# KiCad board panel.kicad_pcb (continued)
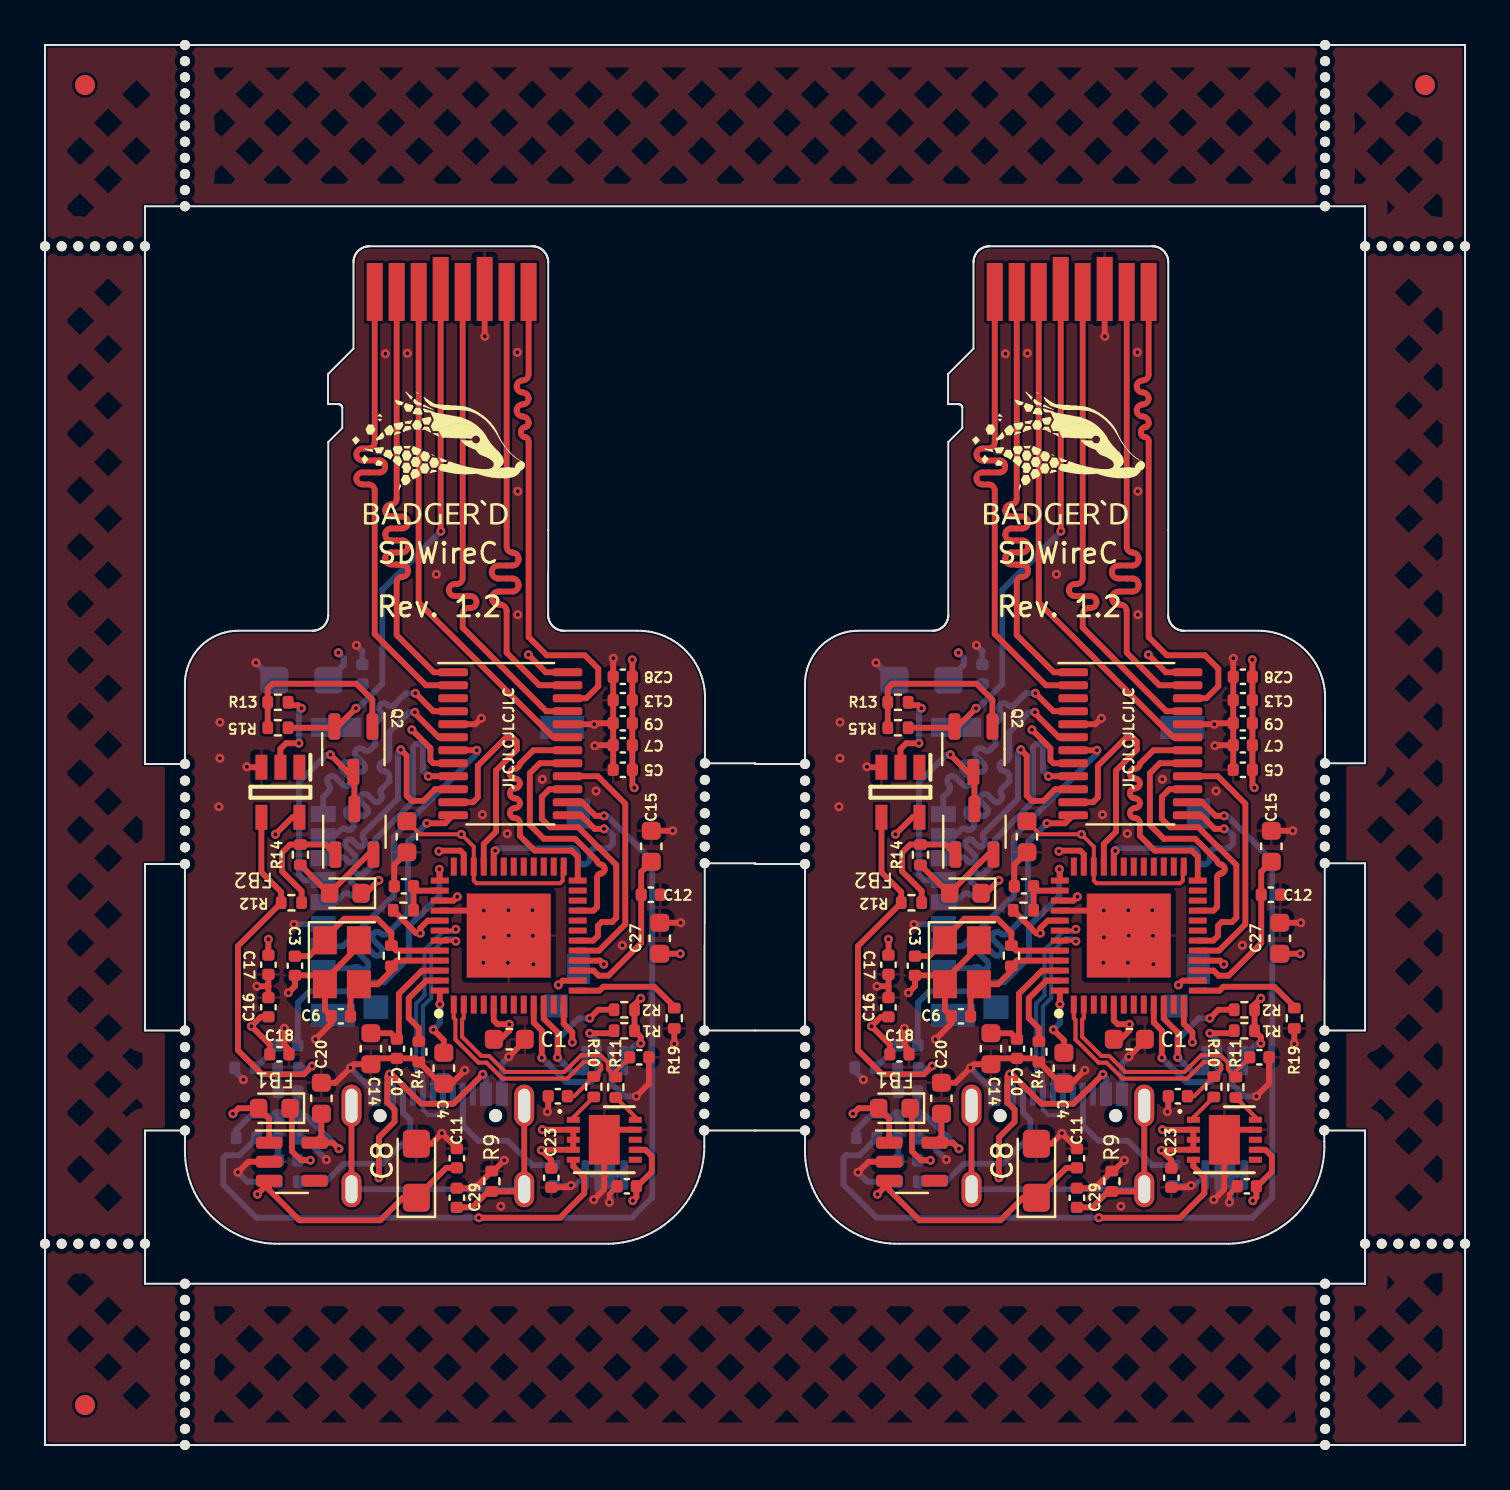
[diagram p0: board, top side]
## Nets (continued)
Net-(IC1-Pad13): IC1.13 IC1#2.13 R19.2 R19#2.2
Net-(IC1-Pad47): IC1.47 IC1#2.47 R4.2 R4#2.2
Net-(J1-PadA5): J1.A5 J1#2.A5 R8.2 R8#2.2
Net-(J1-PadB5): J1.B5 J1#2.B5 R7.2 R7#2.2
Net-(J3-Pad1): J3.1 J3#2.1 U3.4 U3#2.4
Net-(J3-Pad2): J3.2 J3#2.2 U3.6 U3#2.6
Net-(J3-Pad3): J3.3 J3#2.3 U3.10 U3#2.10
Net-(J3-Pad5): J3.5 J3#2.5 U3.9 U3#2.9
Net-(J3-Pad7): J3.7 J3#2.7 U3.7 U3#2.7
Net-(J3-Pad8): J3.8 J3#2.8 U3.12 U3#2.12
Net-(Q1-Pad1): Q1.1 Q1#2.1 R12.1 R12#2.1 R14.2 R14#2.2
Net-(Q2-Pad1): Q2.1 Q2#2.1 R13.1 R13#2.1 R15.2 R15#2.2
Net-(R10-Pad2): R10.2 R10#2.2 U4.1 U4#2.1
Net-(R11-Pad1): R11.1 R11#2.1 U4.10 U4#2.10

Pads without a net: IC1 3 4 6 7 8 11 19 20 22 23 26 27 28 29 30 31 36; IC1#2 3 4 6 7 8 11 19 20 22 23 26 27 28 29 30 31 36; IC2 1; IC2#2 1; J1 A8 B8; J1#2 A8 B8; J3 9 10 11 12 13 14 15; J3#2 9 10 11 12 13 14 15; U2 4; U2#2 4; U3 3; U3#2 3; U4 6 8; U4#2 6 8

## Via types
v1: diameter 0.45, hole 0.2, Top to Bottom, 216 vias

## Routing (per net, layer and track width the routed paths; a pad name or vN(x,y) marks a point on that pad's centre or on a via; arc(x,y) is an arc through that point)
+3V3: length 330
  Top w0.2: IC1.25 25.9,28.87 25.9,28.21 25.77,28.09 21.58,28.09 21.45,28.22 IC1.34 21.45,29.92 v1(20.83,30.54) 18.75,30.54 C26#2.1 ; IC1#2.25 56.91,28.87 56.91,28.21 56.78,28.09 52.59,28.09 52.46,28.22 IC1#2.34 52.46,29.92 v1(51.84,30.54) 49.76,30.54 C26.1
  Top w0.293: IC1#2.5 53.46,21.23 53.65,21.04 v1(54.24,21.04) 54.24,20.72 53.8,20.29 C1.1 ; IC1.5 22.45,21.23 22.64,21.04 v1(23.23,21.04) 23.23,20.72 22.79,20.29 C1#2.1 ; v1(29.8,20.08) 29.8,20.4 R1#2.1 R2#2.1 29.49,22.02 v1(29.8,22.34) ; v1(60.81,20.08) 60.81,20.4 R1.1 R2.1 60.5,22.02 v1(60.81,22.34) ; v1(29.38,39.26) 29.38,39.26 C28#2.1 C13.1 C7#2.1 C5#2.1 29.38,32.96 v1(29.48,32.86) ; v1(60.39,39.26) 60.39,39.26 C28.1 C13#2.1 C7.1 C5.1 60.39,32.96 v1(60.49,32.86) ; C16.1 10.8,21.41 v1(10.33,20.94) 11.25,20.02 C18.1 ; C16#2.1 41.81,21.41 v1(41.34,20.94) 42.26,20.02 C18#2.1 ; U3#2.8 19.43,34.09 19.27,34.24 19.27,34.84 v1(18.35,35.76) ; U3.8 50.44,34.09 50.29,34.24 50.29,34.84 v1(49.36,35.76) ; v1(24.88,15.76) U4.2 U4.3 U4.4 24.85,14.76 v1(24.83,14.74) 25.33,14.24 C23.2 ; v1(55.89,15.76) U4#2.2 U4#2.3 U4#2.4 55.86,14.76 v1(55.84,14.74) 56.34,14.24 C23#2.2 ; C20#2.1 13.83,15.45 U2.5 14.4,15.11 v1(14.7,14.81) ; C20.1 44.84,15.45 U2#2.5 45.41,15.11 v1(45.71,14.81) ; v1(20.63,27.41) 20.43,27.22 IC1.39 ; v1(51.64,27.41) 51.45,27.22 IC1#2.39 ; IC1.12 25.95,21.07 26.38,20.64 v1(26.38,20.14) ; IC1#2.12 56.96,21.07 57.39,20.64 v1(57.39,20.14) ; IC1.16 27.77,24.22 v1(27.95,24.04) ; IC1#2.16 58.78,24.22 v1(58.96,24.04) ; v1(29.4,12.21) 29.58,12.39 C2#2.1 29.63,12.94 30.35,13.66 30.35,14.44 30.03,14.76 U4.7 ; v1(60.41,12.21) 60.59,12.39 C2.1 60.64,12.94 61.36,13.66 61.36,14.44 61.04,14.76 U4#2.7 ; C17.1 v1(11.18,25.29) ; C17#2.1 v1(42.19,25.29) ; v1(19.42,20.76) 19.95,20.24 C4.1 ; v1(50.44,20.76) 50.96,20.24 C4#2.1 ; IC1.48 19.75,22.04 v1(19.75,22.04) ; IC1#2.48 50.76,22.04 v1(50.76,22.04) ; C27#2.1 v1(31.78,24.56) ; C27.1 v1(62.79,24.56) ; IC2.5 12.38,31.39 v1(11.53,30.54) ; IC2#2.5 43.39,31.39 v1(42.54,30.54) ; IC1.41 19.15,26.22 18.77,25.84 v1(18.77,25.59) 18.57,25.59 R5#2.1 ; IC1#2.41 50.16,26.22 49.78,25.84 v1(49.78,25.59) 49.58,25.59 R5.1
  In2.Cu w0.2: v1(18.35,35.76) 19.18,35.76 21.15,33.79 21.15,30.86 v1(20.83,30.54) ; v1(49.36,35.76) 50.19,35.76 52.16,33.79 52.16,30.86 v1(51.84,30.54)
  In2.Cu w0.293: 30.15,22.34 30.83,22.34 31.78,23.29 v1(31.78,24.56) ; 30.15,22.34 30.5,22.69 ; 30.15,22.34 v1(29.8,22.34) 29.8,22.61 28.38,24.04 v1(27.95,24.04) 27.95,20.48 27.49,20.02 26.5,20.02 v1(26.38,20.14) 25.48,21.04 v1(23.23,21.04) 21.93,21.04 21.48,20.59 19.6,20.59 v1(19.42,20.76) ; 61.16,22.34 61.84,22.34 62.79,23.29 v1(62.79,24.56) ; 61.16,22.34 61.51,22.69 ; 61.16,22.34 v1(60.81,22.34) 60.81,22.61 59.39,24.04 v1(58.96,24.04) 58.96,20.48 58.5,20.02 57.51,20.02 v1(57.39,20.14) 56.49,21.04 v1(54.24,21.04) 52.94,21.04 52.49,20.59 50.61,20.59 v1(50.44,20.76) ; v1(20.83,30.54) 20.83,30.41 20.63,30.21 v1(20.63,27.41) ; v1(51.84,30.54) 51.84,30.41 51.64,30.21 v1(51.64,27.41) ; 30.5,31.84 30.5,22.69 ; 30.5,31.84 30.5,38.14 v1(29.38,39.26) ; 30.5,31.84 v1(29.48,32.86) ; 30.5,22.69 30.5,13.31 v1(29.4,12.21) 28.7,11.51 26.68,11.51 24.83,13.36 v1(24.83,14.74) ; 61.51,31.84 61.51,22.69 ; 61.51,31.84 61.51,38.14 v1(60.39,39.26) ; 61.51,31.84 v1(60.49,32.86) ; 61.51,22.69 61.51,13.31 v1(60.41,12.21) 59.71,11.51 57.69,11.51 55.84,13.36 v1(55.84,14.74) ; v1(11.53,30.54) 11.18,30.19 v1(11.18,25.29) 9.78,23.89 9.78,21.49 v1(10.33,20.94) 10.33,19.19 v1(14.7,14.81) 24.75,14.81 v1(24.83,14.74) ; v1(42.54,30.54) 42.19,30.19 v1(42.19,25.29) 40.79,23.89 40.79,21.49 v1(41.34,20.94) 41.34,19.19 v1(45.71,14.81) 55.76,14.81 v1(55.84,14.74) ; v1(19.75,22.04) 19.75,26.54 v1(20.63,27.41) ; v1(50.76,22.04) 50.76,26.54 v1(51.64,27.41) ; v1(24.83,14.74) 24.88,14.79 v1(24.88,15.76) ; v1(55.84,14.74) 55.89,14.79 v1(55.89,15.76) ; v1(20.63,27.41) 20.6,27.41 v1(18.77,25.59) ; v1(51.64,27.41) 51.61,27.41 v1(49.78,25.59)
  Bottom w0.293: v1(19.42,20.76) 19.75,21.09 v1(19.75,22.04) ; v1(50.44,20.76) 50.76,21.09 v1(50.76,22.04) ; v1(29.8,20.08) 29.61,20.08 28.98,19.44 U1#2.8 28.98,19.56 ; v1(60.81,20.08) 60.63,20.08 59.99,19.44 U1.8 59.99,19.56 ; v1(14.7,14.81) 13.05,16.46 D3#2.2 D4#2.2 ; v1(45.71,14.81) 44.06,16.46 D3.2 D4.2
/VDD: length 44.4
  Top w0.293: FB1#2.1 12.35,16.75 12.35,14.69 12.8,14.24 v1(13.28,14.24) ; FB1.1 43.36,16.75 43.36,14.69 43.81,14.24 v1(44.29,14.24) ; v1(16.7,13.36) 16.7,13.36 16.7,15.38 17.49,16.17 17.49,16.77 17.13,17.13 17.13,18.43 v1(17.24,18.55) 17.34,18.55 18.83,17.06 20.43,17.06 v1(21.9,18.54) ; v1(47.71,13.36) 47.72,13.36 47.72,15.38 48.5,16.17 48.5,16.77 48.14,17.13 48.14,18.43 v1(48.26,18.55) 48.35,18.55 49.84,17.06 51.44,17.06 v1(52.91,18.54)
  In2.Cu w0.293: v1(13.28,14.24) 13.28,13.96 13.75,13.49 14.28,13.49 14.85,14.06 16.3,14.06 16.7,13.66 v1(16.7,13.36) ; v1(44.29,14.24) 44.29,13.96 44.76,13.49 45.29,13.49 45.86,14.06 47.31,14.06 47.71,13.66 v1(47.71,13.36)
  Bottom w0.293: D1.2 v1(13.28,14.24) ; D1#2.2 v1(44.29,14.24) ; J1#2.A9 17.25,18.55 v1(17.24,18.55) ; J1.A9 48.26,18.55 v1(48.26,18.55) ; J1#2.A4 22.05,18.39 v1(21.9,18.54) ; J1.A4 53.06,18.39 v1(52.91,18.54)
/VDD_DEVICE: length 53.2
  Top w0.293: J2#2.4 19.79,45.7 v1(19.8,45.69) ; J2.4 50.8,45.7 v1(50.81,45.69) ; R15.1 14.41,35.86 14.48,35.92 14.64,35.92 v1(15.55,36.84) ; R15#2.1 45.43,35.86 45.49,35.92 45.65,35.92 v1(46.56,36.84)
  Bottom w0.293: v1(15.55,36.84) 15.65,36.84 16.88,38.06 16.88,42.76 v1(19.8,45.69) ; v1(46.56,36.84) 46.67,36.84 47.89,38.06 47.89,42.76 v1(50.81,45.69)
/VDD_HOST: length 10.1
  Top w0.293: Q1#2.2 16.16,29.52 14.24,27.6 FB2#2.2 14.19,27.59 R14#2.1 ; Q1.2 47.18,29.52 45.25,27.6 FB2.2 45.2,27.59 R14.1
GND: length 165.6
  Top w0.25: v1(28.23,12.14) 28.23,12.54 C2#2.2 ; v1(59.24,12.14) 59.24,12.54 C2.2
  Top w0.293: v1(9.65,13.64) 10.18,14.16 U2.2 ; v1(40.66,13.64) 41.19,14.16 U2#2.2 ; C18.2 12.21,19.76 11.98,19.99 v1(11.98,20.84) ; C18#2.2 43.22,19.76 42.99,19.99 v1(42.99,20.84) ; C22#2.2 30.21,18.07 v1(29.58,17.44) ; C22.2 61.22,18.07 v1(60.59,17.44) ; IC1.40 v1(21.95,26.72) v1(23.2,25.47) ; IC1#2.40 v1(52.96,26.72) v1(54.21,25.47) ; J2#2.6 21.99,55.45 v1(22,55.44) ; J2.6 53,55.45 v1(53.01,55.44) ; R19.1 v1(31.48,20.06) ; R19#2.1 v1(62.49,20.06) ; U3#2.20 v1(27.48,36.04) 27.53,36.09 C9#2.2 ; U3.20 v1(58.49,36.04) 58.54,36.09 C9.2 ; v1(26.31,12.98) 26.22,12.88 C23.1 ; v1(57.32,12.98) 57.23,12.88 C23#2.1 ; C8#2.2 19.33,15.06 v1(19.85,15.59) 20.6,14.84 C11.2 ; C8.2 50.34,15.06 v1(50.86,15.59) 51.61,14.84 C11#2.2 ; C26#2.2 17.47,29.01 C19.2 ; C26.2 48.48,29.01 C19#2.2 ; C7#2.2 27.53,34.99 v1(27.5,34.96) ; C7.2 58.54,34.99 v1(58.51,34.96) ; v1(21,18.74) 20.33,18.06 C4.2 19.79,18.06 R4.1 18.52,19.33 C10.2 16.6,19.33 C14.2 15.45,19.04 v1(15.28,18.86) 14.53,18.11 C20#2.2 ; v1(52.01,18.74) 51.34,18.06 C4#2.2 50.8,18.06 R4#2.1 49.53,19.33 C10#2.2 47.61,19.33 C14#2.2 46.46,19.04 v1(46.29,18.86) 45.54,18.11 C20.2 ; IC2.3 10.13,33.89 v1(10.1,33.91) ; IC2#2.3 41.14,33.89 v1(41.11,33.91) ; v1(27.45,12.26) 27.98,12.79 U4.11 28.48,15.76 U4.9 ; v1(58.46,12.26) 58.99,12.79 U4#2.11 59.49,15.76 U4#2.9 ; C5#2.2 C13.2 C28#2.2 28.42,39.33 v1(28.43,39.34) ; C5.2 C13#2.2 C28.2 59.43,39.33 v1(59.44,39.34) ; v1(22.98,14.24) 22.44,13.7 R9#2.2 21.5,12.84 C29.2 ; v1(53.99,14.24) 53.45,13.7 R9.2 52.51,12.84 C29#2.2 ; 11.18,22.94 v1(10.6,22.94) ; 11.18,22.94 C17.2 ; 11.18,22.94 C16.2 ; 42.19,22.94 v1(41.61,22.94) ; 42.19,22.94 C17#2.2 ; 42.19,22.94 C16#2.2 ; Y1.2 13.56,23.48 C3#2.2 12.5,22.94 v1(12.18,22.61) ; Y1.2 14,21.76 C6.1 14.32,21.08 v1(13.53,20.29) ; Y1.2 14,23.24 15.7,24.94 Y1.4 ; Y1#2.2 44.57,23.48 C3.2 43.51,22.94 v1(43.19,22.61) ; Y1#2.2 45.01,21.76 C6#2.1 45.33,21.08 v1(44.54,20.29) ; Y1#2.2 45.01,23.24 46.71,24.94 Y1#2.4 ; C1#2.2 24,20.21 v1(23.2,19.41) ; C1.2 55.01,20.21 v1(54.21,19.41) ; U3#2.5 21.53,36.04 v1(21.83,36.34) ; U3.5 52.54,36.04 v1(52.84,36.34) ; C21#2.2 25.17,16.71 v1(25.13,16.66) ; C21.2 56.18,16.71 v1(56.14,16.66) ; C27#2.2 v1(31.8,26.11) ; C27.2 v1(62.81,26.11) ; C15.2 v1(31.4,30.71) ; C15#2.2 v1(62.41,30.71)
  Bottom w0.25: R8#2.1 v1(26.31,12.98) 26.5,12.98 U1#2.4 U1#2.1 ; R8.1 v1(57.32,12.98) 57.52,12.98 U1.4 U1.1 ; v1(28.23,12.14) 28.33,12.24 U1#2.2 ; v1(59.24,12.14) 59.34,12.24 U1.2
  Bottom w0.293: v1(27.45,12.26) 27.68,12.49 U1#2.3 ; v1(58.46,12.26) 58.69,12.49 U1.3 ; J1#2.A1 22.85,19.06 v1(23.2,19.41) ; J1.A1 53.86,19.06 v1(54.21,19.41) ; J3#2.6 v1(12.45,26.04) ; J3.6 v1(43.46,26.04) ; v1(15.58,39.99) 15.88,39.69 C25.2 ; v1(46.59,39.99) 46.89,39.69 C25#2.2 ; J1#2.A12 16.45,17.69 v1(15.28,18.86) ; J1.A12 47.46,17.69 v1(46.29,18.86) ; C24.2 11.43,38.24 v1(10.55,39.11) ; C24#2.2 42.44,38.24 v1(41.56,39.11) ; R3.2 13,15.34 v1(14.08,14.26) ; R3#2.2 44.01,15.34 v1(45.09,14.26) ; v1(9.65,13.64) 10.13,13.16 R7.1 ; v1(40.66,13.64) 41.14,13.16 R7#2.1 ; R6#2.2 9.49,18.7 v1(9.93,18.26) ; R6.2 40.5,18.7 v1(40.94,18.26) ; U1#2.7 28.33,18.09 28.98,17.44 v1(29.58,17.44) ; U1.7 59.34,18.09 59.99,17.44 v1(60.59,17.44)
  vias: v1(8.75,36.14) v1(8.75,34.34) v1(8.7,31.91) v1(17.03,54.56) v1(18.13,54.59) v1(19.58,43.54) v1(21.88,31.52) v1(21.95,25.39) v1(21.93,24.11) v1(22.8,11.94) v1(23.12,30.57) v1(23.15,24.11) v1(23.18,26.74) v1(23.63,54.64) v1(23.65,47.69) v1(23.65,41.51) v1(24.38,26.74) v1(24.4,25.46) v1(24.43,24.04) v1(24.88,33.29) v1(27.56,32.7) v1(28.88,24.99) v1(39.71,31.91) v1(39.76,36.14) v1(39.76,34.34) v1(48.04,54.56) v1(49.14,54.59) v1(50.59,43.54) v1(52.89,31.52) v1(52.94,24.11) v1(52.96,25.39) v1(53.81,11.94) v1(54.13,30.57) v1(54.19,26.74) v1(54.16,24.11) v1(54.64,54.64) v1(54.66,47.69) v1(54.66,41.51) v1(55.39,26.74) v1(55.41,25.46) v1(55.44,24.04) v1(55.89,33.29) v1(58.57,32.7) v1(59.89,24.99)
/dSD_CLK: length 51.5
  Top w0.293: U3#2.21 25.08,36.69 20.89,40.87 20.89,41.55 arc(20.98,41.76) 21.19,41.85 21.28,41.85 arc(21.5,41.94) 21.58,42.15 arc(21.5,42.36) 21.28,42.45 20.5,42.45 arc(20.29,42.54) 20.2,42.75 arc(20.29,42.96) 20.5,43.05 20.59,43.05 arc(20.8,43.14) 20.89,43.35 J2#2.5 ; U3.21 56.09,36.69 51.9,40.87 51.9,41.55 arc(51.99,41.76) 52.2,41.85 52.3,41.85 arc(52.51,41.94) 52.6,42.15 arc(52.51,42.36) 52.3,42.45 51.51,42.45 arc(51.3,42.54) 51.21,42.75 arc(51.3,42.96) 51.51,43.05 51.6,43.05 arc(51.82,43.14) 51.9,43.35 J2.5
/dSD_CMD: length 51.5
  Top w0.293: U3#2.19 25.42,35.39 21.73,39.08 21.73,39.09 18.69,42.12 J2#2.3 ; U3.19 56.43,35.39 52.74,39.08 52.74,39.09 49.7,42.12 J2.3
/dSD_DAT0: length 51.5
  Top w0.293: J2#2.7 23.09,44.92 arc(23.18,44.71) 23.39,44.62 arc(23.6,44.54) 23.68,44.33 23.68,44.27 arc(23.6,44.06) 23.39,43.97 22.67,43.97 arc(22.44,43.88) 22.35,43.65 arc(22.44,43.42) 22.67,43.32 23.39,43.32 arc(23.6,43.24) 23.68,43.03 23.68,42.97 arc(23.6,42.76) 23.39,42.67 22.67,42.67 arc(22.44,42.58) 22.35,42.35 arc(22.44,42.12) 22.67,42.02 22.77,42.02 arc(22.99,41.93) 23.09,41.7 23.09,39.62 24.73,37.99 U3#2.23 ; J2.7 54.1,44.92 arc(54.19,44.71) 54.4,44.62 arc(54.61,44.54) 54.7,44.33 54.7,44.27 arc(54.61,44.06) 54.4,43.97 53.69,43.97 arc(53.46,43.88) 53.36,43.65 arc(53.46,43.42) 53.69,43.32 54.4,43.32 arc(54.61,43.24) 54.7,43.03 54.7,42.97 arc(54.61,42.76) 54.4,42.67 53.69,42.67 arc(53.46,42.58) 53.36,42.35 arc(53.46,42.12) 53.69,42.02 53.78,42.02 arc(54.01,41.93) 54.1,41.7 54.1,39.62 55.74,37.99 U3.23
/dSD_DAT1: length 51.7
  Top w0.293: J2#2.8 24.19,53.53 arc(24.1,53.32) 23.89,53.23 arc(23.68,53.14) 23.59,52.93 arc(23.68,52.72) 23.89,52.63 arc(24.1,52.54) 24.19,52.33 arc(24.1,52.12) 23.89,52.03 arc(23.68,51.94) 23.59,51.73 arc(23.68,51.52) 23.89,51.43 arc(24.1,51.34) 24.19,51.13 24.19,51.08 arc(24.13,50.94) 24,50.89 arc(23.87,50.83) 23.81,50.7 23.81,50.58 arc(23.87,50.45) 24,50.4 arc(24.13,50.34) 24.19,50.21 24.19,40.4 25.1,39.49 27,39.49 27.68,38.81 27.68,37.94 27.08,37.34 U3#2.22 ; J2.8 55.2,53.53 arc(55.12,53.32) 54.9,53.23 arc(54.69,53.14) 54.6,52.93 arc(54.69,52.72) 54.9,52.63 arc(55.12,52.54) 55.2,52.33 arc(55.12,52.12) 54.9,52.03 arc(54.69,51.94) 54.6,51.73 arc(54.69,51.52) 54.9,51.43 arc(55.12,51.34) 55.2,51.13 55.2,51.08 arc(55.15,50.94) 55.01,50.89 arc(54.88,50.83) 54.83,50.7 54.83,50.58 arc(54.88,50.45) 55.01,50.4 arc(55.15,50.34) 55.2,50.21 55.2,40.4 56.11,39.49 58.01,39.49 58.69,38.81 58.69,37.94 58.09,37.34 U3.22
/dSD_DAT2: length 51.6
  Top w0.293: U3#2.2 19.05,37.99 16.49,40.55 16.49,47.73 arc(16.4,47.94) 16.19,48.03 15.87,48.03 arc(15.66,48.12) 15.57,48.33 arc(15.66,48.54) 15.87,48.63 16.75,48.63 arc(16.93,48.7) 17.01,48.89 17.01,48.97 arc(16.93,49.15) 16.75,49.23 15.87,49.23 arc(15.66,49.32) 15.57,49.53 arc(15.66,49.74) 15.87,49.83 16.19,49.83 arc(16.4,49.92) 16.49,50.13 J2#2.1 ; U3.2 50.06,37.99 47.5,40.55 47.5,47.73 arc(47.42,47.94) 47.2,48.03 46.89,48.03 arc(46.67,48.12) 46.59,48.33 arc(46.67,48.54) 46.89,48.63 47.76,48.63 arc(47.94,48.7) 48.02,48.89 48.02,48.97 arc(47.94,49.15) 47.76,49.23 46.89,49.23 arc(46.67,49.32) 46.59,49.53 arc(46.67,49.74) 46.89,49.83 47.2,49.83 arc(47.42,49.92) 47.5,50.13 J2.1
/dSD_DAT3: length 51.7
  Top w0.293: J2#2.2 17.59,47.31 arc(17.51,47.11) 17.31,47.03 arc(17.11,46.94) 17.02,46.74 17.02,46.71 arc(17.11,46.51) 17.31,46.43 17.87,46.43 arc(18.07,46.34) 18.16,46.14 18.16,46.11 arc(18.07,45.91) 17.87,45.83 17.31,45.83 arc(17.11,45.74) 17.02,45.54 17.02,45.51 arc(17.11,45.31) 17.31,45.23 17.87,45.23 arc(18.07,45.14) 18.16,44.94 18.16,44.91 arc(18.07,44.71) 17.87,44.63 17.31,44.63 arc(17.11,44.54) 17.02,44.34 17.02,44.31 arc(17.11,44.11) 17.31,44.03 17.59,44.03 17.59,44.01 17.87,44.01 arc(18.07,43.93) 18.16,43.73 18.16,43.7 arc(18.07,43.49) 17.87,43.41 arc(17.67,43.33) 17.59,43.13 17.59,40.5 19.45,38.64 U3#2.1 ; J2.2 48.6,47.31 arc(48.52,47.11) 48.32,47.03 arc(48.12,46.94) 48.04,46.74 48.04,46.71 arc(48.12,46.51) 48.32,46.43 48.89,46.43 arc(49.09,46.34) 49.17,46.14 49.17,46.11 arc(49.09,45.91) 48.89,45.83 48.32,45.83 arc(48.12,45.74) 48.04,45.54 48.04,45.51 arc(48.12,45.31) 48.32,45.23 48.89,45.23 arc(49.09,45.14) 49.17,44.94 49.17,44.91 arc(49.09,44.71) 48.89,44.63 48.32,44.63 arc(48.12,44.54) 48.04,44.34 48.04,44.31 arc(48.12,44.11) 48.32,44.03 48.6,44.03 48.6,44.01 48.89,44.01 arc(49.09,43.93) 49.17,43.73 49.17,43.7 arc(49.09,43.49) 48.89,43.41 arc(48.69,43.33) 48.6,43.13 48.6,40.5 50.46,38.64 U3.1
/MUX_SELECTOR: length 172.7
  Top w0.293: v1(12.83,36.84) 12.68,36.99 12.31,36.99 R13#2.2 ; v1(43.84,36.84) 43.69,36.99 43.32,36.99 R13.2 ; v1(27.96,31.46) 27.54,31.46 26.86,32.14 U3#2.14 ; v1(58.97,31.46) 58.55,31.46 57.87,32.14 U3.14 ; v1(24.18,39.51) 25.05,38.64 U3#2.24 ; v1(55.19,39.51) 56.06,38.64 U3.24 ; U4.5 26.43,13.94 26.98,13.39 26.98,12.59 25.75,11.36 v1(21.7,11.36) ; U4#2.5 57.44,13.94 57.99,13.39 57.99,12.59 56.76,11.36 v1(52.71,11.36) ; IC2.2 11.78,34.81 12.06,35.09 v1(12.7,35.09) ; IC2#2.2 42.79,34.81 43.07,35.09 v1(43.71,35.09)
  In2.Cu w0.293: v1(27.96,31.46) 28.43,31.92 28.43,37.06 25.98,39.51 v1(24.18,39.51) 16.18,39.51 13.93,37.26 13.25,37.26 v1(12.83,36.84) ; v1(58.97,31.46) 59.44,31.92 59.44,37.06 56.99,39.51 v1(55.19,39.51) 47.19,39.51 44.94,37.26 44.26,37.26 v1(43.84,36.84)
  Bottom w0.293: R16#2.1 10.59,15.35 9.73,14.49 9.05,14.49 8.93,14.36 8.93,13.01 10.58,11.36 v1(21.7,11.36) 29.36,11.36 30.37,12.38 30.37,29.21 28.12,31.46 v1(27.96,31.46) ; R16.1 41.6,15.35 40.74,14.49 40.06,14.49 39.94,14.36 39.94,13.01 41.59,11.36 v1(52.71,11.36) 60.37,11.36 61.39,12.38 61.39,29.21 59.13,31.46 v1(58.97,31.46) ; v1(12.7,35.09) 12.7,36.71 v1(12.83,36.84) ; v1(43.71,35.09) 43.71,36.71 v1(43.84,36.84)
/nRESET: length 5.2
  Top w0.293: R5#2.2 18.44,27.93 C19.1 18.65,27.72 IC1.38 ; R5.2 49.45,27.93 C19#2.1 49.66,27.72 IC1#2.38
/SD_CLK: length 25.1
  Top w0.293: IC1.21 27.44,26.72 27.61,26.89 27.61,28.39 arc(27.67,28.52) 27.8,28.57 arc(27.93,28.63) 27.99,28.76 27.99,28.84 arc(27.93,28.97) 27.8,29.02 arc(27.67,29.08) 27.61,29.21 26.51,30.31 24.95,30.31 24.25,31.01 24.25,33.59 24.75,34.09 U3#2.17 ; IC1#2.21 58.45,26.72 58.63,26.89 58.63,28.39 arc(58.68,28.52) 58.81,28.57 arc(58.95,28.63) 59,28.76 59,28.84 arc(58.95,28.97) 58.81,29.02 arc(58.68,29.08) 58.63,29.21 57.53,30.31 55.96,30.31 55.26,31.01 55.26,33.59 55.76,34.09 U3.17
/SD_CMD: length 25
  Top w0.293: IC1.24 26.65,29.42 26.35,29.72 24.5,29.72 23.75,30.46 23.75,31.1 arc(23.68,31.28) 23.5,31.35 23.5,31.35 arc(23.32,31.42) 23.25,31.6 arc(23.32,31.77) 23.5,31.84 23.5,31.84 arc(23.68,31.91) 23.75,32.09 arc(23.68,32.26) 23.5,32.34 23.5,32.34 arc(23.32,32.41) 23.25,32.58 arc(23.32,32.76) 23.5,32.83 23.5,32.83 arc(23.68,32.9) 23.75,33.08 arc(23.68,33.25) 23.5,33.32 23.5,33.32 arc(23.32,33.39) 23.25,33.57 arc(23.32,33.74) 23.5,33.82 23.5,33.82 arc(23.68,33.89) 23.75,34.06 24.43,34.74 U3#2.18 ; IC1#2.24 57.66,29.42 57.36,29.72 55.51,29.72 54.76,30.46 54.76,31.1 arc(54.69,31.28) 54.52,31.35 54.51,31.35 arc(54.34,31.42) 54.26,31.6 arc(54.34,31.77) 54.51,31.84 54.52,31.84 arc(54.69,31.91) 54.76,32.09 arc(54.69,32.26) 54.52,32.34 54.51,32.34 arc(54.34,32.41) 54.26,32.58 arc(54.34,32.76) 54.51,32.83 54.52,32.83 arc(54.69,32.9) 54.76,33.08 arc(54.69,33.25) 54.52,33.32 54.51,33.32 arc(54.34,33.39) 54.26,33.57 arc(54.34,33.74) 54.51,33.82 54.52,33.82 arc(54.69,33.89) 54.76,34.06 55.44,34.74 U3.18
/SD_DAT0: length 25.1
  Top w0.293: U3#2.15 25.23,32.79 24.85,32.41 24.85,31.31 25.27,30.89 26.68,30.89 27.67,29.9 27.68,29.9 28.58,29 28.58,26.36 28.36,26.15 27.84,26.15 27.66,25.97 27.66,25.46 27.42,25.22 IC1.18 ; U3.15 56.24,32.79 55.86,32.41 55.86,31.31 56.28,30.89 57.69,30.89 58.68,29.9 58.69,29.9 59.59,29 59.59,26.36 59.37,26.15 58.85,26.15 58.67,25.97 58.67,25.46 58.44,25.22 IC1#2.18
/SD_DAT1: length 24.8
  Top w0.293: U3#2.16 27.65,33.44 29.03,32.06 29.03,26.04 27.71,24.72 IC1.17 ; U3.16 58.66,33.44 60.04,32.06 60.04,26.04 58.72,24.72 IC1#2.17
/SD_DAT2: length 24.9
  Top w0.293: IC1.33 21.95,30.05 22.56,30.67 22.56,33.73 23.6,34.77 23.6,35.17 23.41,35.36 23.05,35.36 21.65,33.96 21.65,32.38 21.41,32.14 U3#2.11 ; IC1#2.33 52.96,30.05 53.57,30.67 53.57,33.73 54.61,34.77 54.61,35.17 54.42,35.36 54.06,35.36 52.66,33.96 52.66,32.38 52.42,32.14 U3.11
/SD_DAT3: length 22.1
  Top w0.293: IC1.32 22.45,29.64 v1(22.52,29.71) ; IC1#2.32 53.46,29.64 v1(53.53,29.71) ; U3#2.13 26.81,31.49 27.49,30.81 v1(27.96,30.81) ; U3.13 57.82,31.49 58.5,30.81 v1(58.97,30.81)
  Bottom w0.293: v1(27.96,30.81) 28.07,30.81 28.4,30.48 28.4,30.06 28.18,29.84 27.55,29.84 arc(27.34,29.75) 27.25,29.54 27.25,29.33 arc(27.16,29.12) 26.95,29.03 arc(26.74,29.12) 26.65,29.33 26.65,29.54 arc(26.56,29.75) 26.35,29.84 22.64,29.84 v1(22.52,29.71) ; v1(58.97,30.81) 59.08,30.81 59.41,30.48 59.41,30.06 59.19,29.84 58.56,29.84 arc(58.35,29.75) 58.26,29.54 58.26,29.33 arc(58.18,29.12) 57.96,29.03 arc(57.75,29.12) 57.66,29.33 57.66,29.54 arc(57.58,29.75) 57.36,29.84 53.66,29.84 v1(53.53,29.71)
/SD_nCD: length 66.3
  Top w0.293: v1(13.36,18.95) 12.95,18.54 10.85,18.54 9.65,19.74 9.65,24.95 R12#2.2 11.82,27.65 10.83,28.64 IC2.4 ; v1(44.38,18.95) 43.96,18.54 41.86,18.54 40.66,19.74 40.66,24.95 R12.2 42.83,27.65 41.84,28.64 IC2#2.4 ; IC1.14 25.9,23.22 v1(25.68,23) ; IC1#2.14 56.91,23.22 v1(56.69,23)
  In1.Cu w0.293: v1(13.36,18.95) 14.3,19.89 16.73,19.89 19.84,23 v1(25.68,23) ; v1(44.38,18.95) 45.31,19.89 47.74,19.89 50.85,23 v1(56.69,23)
  Bottom w0.293: v1(13.36,18.95) 13.25,18.84 R17.1 ; v1(44.38,18.95) 44.26,18.84 R17#2.1
/USB_DOWN+: length 24.6
  Top w0.206: C22#2.1 28.55,18.69 R11.2 28.15,18.79 28.15,19.12 27.79,19.48 26.81,19.48 25.98,18.65 23.02,18.65 22.22,19.45 21.82,19.45 20.86,20.41 20.86,21.26 20.95,21.35 IC1.2 ; C22.1 59.56,18.69 R11#2.2 59.17,18.79 59.17,19.12 58.8,19.48 57.82,19.48 56.99,18.65 54.03,18.65 53.23,19.45 52.83,19.45 51.88,20.41 51.88,21.26 51.96,21.35 IC1#2.2
/USB_DOWN-: length 25.5
  Top w0.206: IC1.1 20.45,21.35 20.53,21.26 20.53,20.27 21.68,19.12 22.08,19.12 22.88,18.32 26.12,18.32 26.95,19.15 27.65,19.15 27.82,18.98 27.82,18.79 R10.1 26.47,17.44 C21#2.1 ; IC1#2.1 51.46,21.35 51.54,21.26 51.54,20.27 52.69,19.12 53.09,19.12 53.89,18.32 57.13,18.32 57.96,19.15 58.67,19.15 58.83,18.98 58.83,18.79 R10#2.1 57.48,17.44 C21.1
/USB_UP+: length 26.3
  Top w0.206: IC1.42 20.48,25.72 v1(20.55,25.79) ; IC1#2.42 51.5,25.72 v1(51.56,25.79)
  Bottom w0.206: J1#2.A6 19.9,16.76 19.63,16.49 19.17,16.49 18.9,16.76 J1#2.B6 18.9,18.41 18.56,18.74 18.56,22.07 18.98,22.49 18.98,24.76 19.88,25.65 20.42,25.65 v1(20.55,25.79) ; J1.A6 50.91,16.76 50.64,16.49 50.19,16.49 49.91,16.76 J1.B6 49.91,18.41 49.58,18.74 49.58,22.07 50,22.49 50,24.76 50.89,25.65 51.43,25.65 v1(51.56,25.79)
/USB_UP-: length 24.9
  Top w0.206: v1(20.55,25.19) 20.52,25.22 IC1.43 ; v1(51.56,25.19) 51.53,25.22 IC1#2.43
  Bottom w0.206: v1(20.55,25.19) 20.42,25.32 20.02,25.32 19.32,24.62 19.32,22.35 18.9,21.93 18.9,18.91 19.4,18.41 J1#2.A7 19.4,18.22 19.66,18.49 20.14,18.49 20.4,18.23 J1#2.B7 ; v1(51.56,25.19) 51.43,25.32 51.03,25.32 50.33,24.62 50.33,22.35 49.91,21.93 49.91,18.91 50.41,18.41 J1.A7 50.41,18.22 50.68,18.49 51.15,18.49 51.41,18.23 J1.B7
/uSD_VDD: length 40.6
  Top w0.293: Q1#2.3 15.48,33.6 Q2.3 15.14,33.65 v1(14.28,34.51) ; Q1.3 46.49,33.6 Q2#2.3 46.15,33.65 v1(45.29,34.51)
  In1.Cu w0.293: v1(14.68,39.61) 14.28,39.21 v1(14.28,34.51) ; v1(45.69,39.61) 45.29,39.21 v1(45.29,34.51)
  Bottom w0.293: J3#2.4 13,28.24 12.7,28.54 12.7,33.14 14.08,34.51 v1(14.28,34.51) ; J3.4 44.01,28.24 43.71,28.54 43.71,33.14 45.09,34.51 v1(45.29,34.51) ; C25.1 14.36,38.06 C24.1 14.95,39.01 14.95,39.34 v1(14.68,39.61) ; C25#2.1 45.37,38.06 C24#2.1 45.96,39.01 45.96,39.34 v1(45.69,39.61)
/XTAL1: length 12.9
  Top w0.293: IC1.45 17.59,24.22 R18#2.2 17.33,23.71 16.65,23.04 Y1.3 15.28,22.62 C6.2 ; IC1#2.45 48.61,24.22 R18.2 48.34,23.71 47.66,23.04 Y1#2.3 46.29,22.62 C6#2.2
/XTAL2: length 18.2
  Top w0.293: IC1.44 17.58,24.72 R18#2.1 17.33,25.61 16.62,26.31 14.98,26.31 14,25.34 Y1.1 13.21,24.44 C3#2.1 ; IC1#2.44 48.59,24.72 R18.1 48.34,25.61 47.63,26.31 45.99,26.31 45.01,25.34 Y1#2.1 44.22,24.44 C3.1
Net-(C10-Pad1): length 12.5
  Top w0.293: C14.1 17.31,20.59 C10.1 17.7,20.39 17.7,22.56 18.86,23.72 IC1.46 ; C14#2.1 48.32,20.59 C10#2.1 48.71,20.39 48.71,22.56 49.87,23.72 IC1#2.46
Net-(C11-Pad1): length 40.7
  Top w0.293: C11.1 20.07,13.86 C8#2.1 17.9,12.36 16.78,11.24 12.73,11.24 11.21,12.75 U2.3 11.21,13.12 v1(10.63,12.54) ; C11#2.1 51.08,13.86 C8.1 48.91,12.36 47.79,11.24 43.74,11.24 42.23,12.75 U2#2.3 42.23,13.12 v1(41.64,12.54) ; U2.1 11.21,16.31 FB1#2.2 9.68,16.84 v1(9.4,16.56) ; U2#2.1 42.23,16.31 FB1.2 40.69,16.84 v1(40.41,16.56)
  In2.Cu w0.293: v1(10.63,12.54) 10.63,15.34 v1(9.4,16.56) ; v1(41.64,12.54) 41.64,15.34 v1(40.41,16.56)
Net-(C12-Pad1): length 16.5
  Top w0.293: C15.1 29.82,28.66 C12.1 29.82,25.1 28.19,23.47 27.69,23.47 27.44,23.72 IC1.15 ; C15#2.1 60.83,28.66 C12#2.1 60.83,25.1 59.2,23.47 58.71,23.47 58.45,23.72 IC1#2.15
Net-(C29-Pad1): length 41.5
  Top w0.293: J1#2.S1 J1#2.S1 23.86,12.68 R9#2.1 22.17,12.68 21.37,11.88 C29.1 ; J1.S1 J1.S1 54.87,12.68 R9.1 53.18,12.68 52.38,11.88 C29#2.1 ; J1#2.S1 J1#2.S1 ; J1.S1 J1.S1
  Bottom w0.293: J1#2.S1 J1#2.S1 ; J1.S1 J1.S1
Net-(D1-Pad1): length 2.2
  Bottom w0.293: D1.1 11.67,15.31 R3.1 ; D1#2.1 42.68,15.31 R3#2.1
Net-(D2-Pad1): length 3.2
  Bottom w0.293: D2#2.1 10.54,18.86 R6#2.1 ; D2.1 41.55,18.86 R6.1
Net-(D2-Pad2): length 28.5
  Top w0.293: v1(19.73,28.79) 19.75,28.77 IC1.37 ; v1(50.74,28.79) 50.76,28.77 IC1#2.37
  Bottom w0.293: D2#2.2 12.64,21.25 12.65,21.26 12.65,22.11 13.23,22.69 15.5,22.69 15.95,23.14 16.98,23.14 18.2,24.36 18.2,25.94 19.73,27.46 v1(19.73,28.79) ; D2.2 43.65,21.25 43.66,21.26 43.66,22.11 44.24,22.69 46.51,22.69 46.96,23.14 47.99,23.14 49.21,24.36 49.21,25.94 50.74,27.46 v1(50.74,28.79)
Net-(D3-Pad1): length 5.6
  Bottom w0.293: R16#2.2 9.57,15.75 10.28,16.46 D3#2.1 ; R16.2 40.58,15.75 41.29,16.46 D3.1
Net-(D4-Pad1): length 2.4
  Bottom w0.293: D4#2.1 11.67,18.81 R17.2 ; D4.1 42.68,18.81 R17#2.2
Net-(FB2-Pad1): length 13.4
  Top w0.293: v1(16.7,28.24) 16.05,27.59 FB2#2.1 ; v1(47.71,28.24) 47.06,27.59 FB2.1 ; v1(19.7,29.69) 19.73,29.72 20.77,29.72 20.95,29.54 IC1.35 ; v1(50.71,29.69) 50.74,29.72 51.78,29.72 51.96,29.54 IC1#2.35
  In2.Cu w0.293: v1(19.7,29.69) 18.15,29.69 v1(16.7,28.24) ; v1(50.71,29.69) 49.16,29.69 v1(47.71,28.24)
Net-(IC1-Pad9): length 19.7
  Top w0.293: v1(24.85,19.36) 24.85,20.72 24.45,21.13 IC1.9 ; v1(55.86,19.36) 55.86,20.72 55.46,21.13 IC1#2.9 ; R1#2.2 28.34,20.59 v1(27.25,20.59) ; R1.2 59.35,20.59 v1(58.26,20.59)
  Bottom w0.293: v1(27.25,20.59) 27.68,20.16 U1#2.6 27.68,18.51 27.31,18.14 26.07,18.14 v1(24.85,19.36) ; v1(58.26,20.59) 58.69,20.16 U1.6 58.69,18.51 58.32,18.14 57.09,18.14 v1(55.86,19.36)
Net-(IC1-Pad10): length 19
  Top w0.293: v1(27.25,21.34) 27.68,21.76 R2#2.2 ; v1(58.26,21.34) 58.69,21.76 R2.2 ; v1(25.64,19.38) 25.64,20.63 24.95,21.32 IC1.10 ; v1(56.65,19.38) 56.65,20.63 55.96,21.32 IC1#2.10
  Bottom w0.293: v1(27.25,21.34) 26.7,21.34 25.64,20.28 v1(25.64,19.38) 26.39,18.63 26.9,18.63 27.03,18.76 U1#2.5 ; v1(58.26,21.34) 57.71,21.34 56.65,20.28 v1(56.65,19.38) 57.4,18.63 57.91,18.63 58.04,18.76 U1.5
Net-(IC1-Pad13): length 10.8
  Top w0.293: R19.2 31.48,21.91 30.48,22.91 27.93,22.91 27.73,22.72 IC1.13 ; R19#2.2 62.49,21.91 61.49,22.91 58.94,22.91 58.75,22.72 IC1#2.13
Net-(IC1-Pad47): length 8.6
  Top w0.293: R4.2 18.7,20.84 18.19,21.34 18.19,22.34 19.08,23.22 IC1.47 ; R4#2.2 49.71,20.84 49.21,21.34 49.21,22.34 50.09,23.22 IC1#2.47
Net-(J1-PadA5): length 13.9
  Bottom w0.293: J1#2.A5 20.9,15.99 21.68,15.21 23.14,15.21 24.36,14 R8#2.2 ; J1.A5 51.91,15.99 52.69,15.21 54.16,15.21 55.37,14 R8.2
Net-(J1-PadB5): length 17.6
  Bottom w0.293: R7.2 14.05,13.16 14.95,14.06 16.88,14.06 18.28,15.46 18.28,16.25 17.9,16.62 J1#2.B5 ; R7#2.2 45.06,13.16 45.96,14.06 47.89,14.06 49.29,15.46 49.29,16.25 48.91,16.62 J1.B5
Net-(J3-Pad1): length 29.6
  Top w0.293: v1(18.53,37.59) 19.43,36.69 U3#2.4 ; v1(49.54,37.59) 50.44,36.69 U3.4
  Bottom w0.293: J3#2.1 13.92,32.41 14.19,32.67 arc(14.26,32.85) 14.19,33.02 14.18,33.03 arc(14.11,33.2) 14.18,33.38 arc(14.36,33.45) 14.53,33.38 14.89,33.02 arc(15.06,32.95) 15.24,33.02 arc(15.31,33.19) 15.24,33.37 14.88,33.73 arc(14.81,33.9) 14.88,34.08 arc(15.06,34.15) 15.23,34.08 15.59,33.72 arc(15.76,33.64) 15.94,33.72 arc(16.01,33.89) 15.94,34.07 15.58,34.42 arc(15.51,34.6) 15.58,34.77 arc(15.75,34.85) 15.93,34.77 15.93,34.77 arc(16.11,34.7) 16.28,34.77 16.53,35.01 16.53,36.06 16.78,36.31 arc(16.85,36.49) 16.78,36.66 16.77,36.67 arc(16.7,36.84) 16.77,37.01 arc(16.94,37.09) 17.12,37.01 17.12,37.01 arc(17.3,36.94) 17.47,37.01 18.05,37.59 v1(18.53,37.59) ; J3.1 44.93,32.41 45.2,32.67 arc(45.27,32.85) 45.2,33.02 45.2,33.03 arc(45.12,33.2) 45.2,33.38 arc(45.37,33.45) 45.55,33.38 45.9,33.02 arc(46.08,32.95) 46.25,33.02 arc(46.32,33.19) 46.25,33.37 45.89,33.73 arc(45.82,33.9) 45.89,34.08 arc(46.07,34.15) 46.24,34.08 46.6,33.72 arc(46.78,33.64) 46.95,33.72 arc(47.02,33.89) 46.95,34.07 46.59,34.42 arc(46.52,34.6) 46.59,34.77 arc(46.77,34.85) 46.94,34.77 46.95,34.77 arc(47.12,34.7) 47.29,34.77 47.54,35.01 47.54,36.06 47.79,36.31 arc(47.86,36.49) 47.79,36.66 47.78,36.67 arc(47.71,36.84) 47.78,37.01 arc(47.96,37.09) 48.13,37.01 48.14,37.01 arc(48.31,36.94) 48.49,37.01 49.06,37.59 v1(49.54,37.59)
Net-(J3-Pad2): length 29.4
  Top w0.293: v1(18.5,36.64) 18.5,36.58 19.69,35.39 U3#2.6 ; v1(49.51,36.64) 49.51,36.58 50.71,35.39 U3.6
  Bottom w0.293: v1(18.5,36.64) 18.23,36.64 17.23,35.64 17.23,34.42 arc(17.15,34.25) 16.98,34.18 16.97,34.18 arc(16.8,34.11) 16.73,33.93 arc(16.8,33.76) 16.97,33.68 16.98,33.68 arc(17.15,33.61) 17.23,33.44 17.23,33.19 16.82,32.78 arc(16.77,32.66) 16.82,32.53 arc(16.87,32.41) 16.82,32.28 16.72,32.18 arc(16.59,32.13) 16.47,32.18 16.17,32.49 arc(15.99,32.56) 15.82,32.49 arc(15.74,32.31) 15.82,32.14 16.12,31.83 arc(16.17,31.71) 16.12,31.59 16.02,31.49 arc(15.89,31.43) 15.77,31.49 15.47,31.79 arc(15.29,31.86) 15.12,31.79 arc(15.05,31.61) 15.12,31.44 15.42,31.14 arc(15.47,31.01) 15.42,30.89 15.32,30.79 arc(15.2,30.74) 15.07,30.79 arc(14.95,30.84) 14.83,30.79 14.48,30.44 J3#2.2 ; v1(49.51,36.64) 49.24,36.64 48.24,35.64 48.24,34.42 arc(48.17,34.25) 47.99,34.18 47.99,34.18 arc(47.81,34.11) 47.74,33.93 arc(47.81,33.76) 47.99,33.68 47.99,33.68 arc(48.17,33.61) 48.24,33.44 48.24,33.19 47.83,32.78 arc(47.78,32.66) 47.83,32.53 arc(47.88,32.41) 47.83,32.28 47.73,32.18 arc(47.61,32.13) 47.48,32.18 47.18,32.49 arc(47,32.56) 46.83,32.49 arc(46.76,32.31) 46.83,32.14 47.13,31.83 arc(47.18,31.71) 47.13,31.59 47.03,31.49 arc(46.91,31.43) 46.78,31.49 46.48,31.79 arc(46.31,31.86) 46.13,31.79 arc(46.06,31.61) 46.13,31.44 46.43,31.14 arc(46.49,31.01) 46.43,30.89 46.33,30.79 arc(46.21,30.74) 46.09,30.79 arc(45.96,30.84) 45.84,30.79 45.49,30.44 J3.2
